# Altium PCB MB V3.PcbDoc (part 2 of 4) (continued)
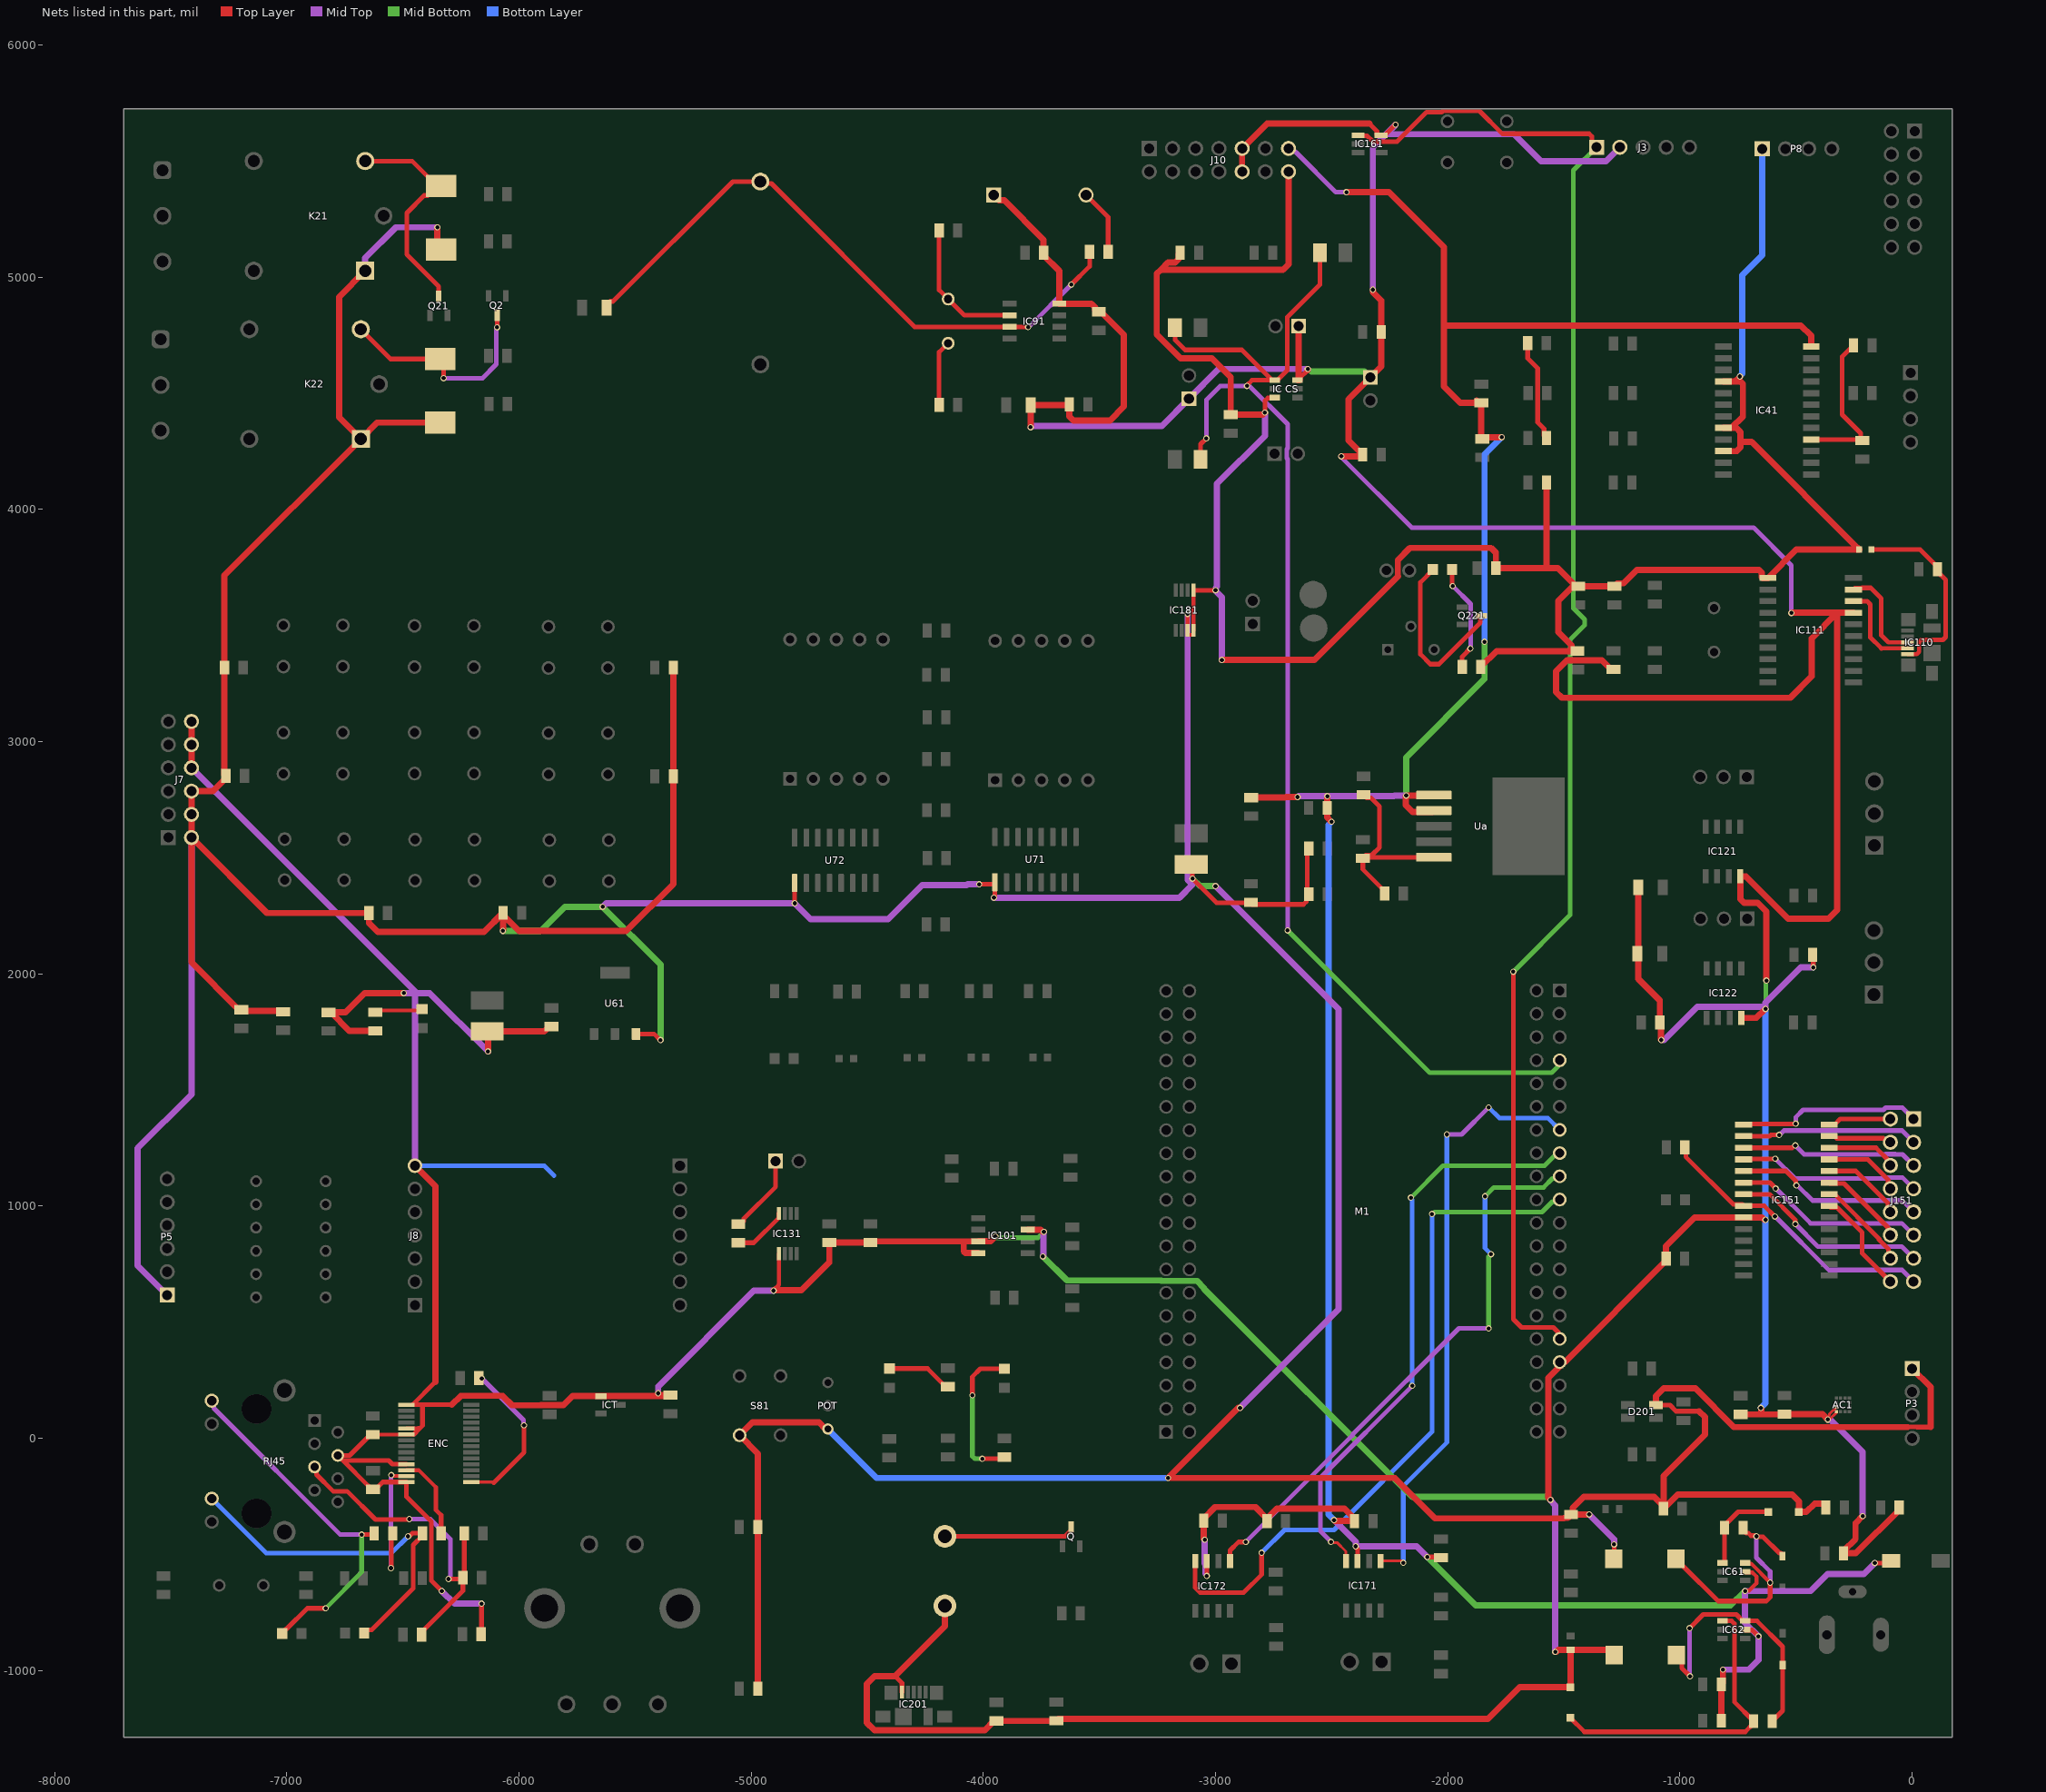
[diagram p4: the nets of this part, all layers, seen from the top]
## Part data (continued)
U61: "LDO Voltage Regulators 800MA LDO LINEAR REG", Package="SOT-223 Seeed Technology", Availability="In Stock", Check_prices=https://www.snapeda.com/parts/AMS1117-3.3/AMS+AG/view-part/?ref=eda, MF="ams AG", MP=AMS1117-3.3, Price=None, Purchase-URL=https://pricing.snapeda.com/search/part/AMS1117-3.3/?ref=eda, SnapEDA_Link=https://www.snapeda.com/parts/AMS1117-3.3/AMS+AG/view-part/?ref=snap
U71 U72: "50-V, 7-ch darlington transistor array, -20C to 70C", Package="SOIC-16 Texas Instruments", Availability="In Stock", Check_prices=https://www.snapeda.com/parts/ULN2003ADR/Texas+Instruments/view-part/?ref=eda, MF="Texas Instruments", MP=ULN2003ADR, Price=None, Purchase-URL=https://pricing.snapeda.com/search/part/ULN2003ADR/?ref=eda, SnapEDA_Link=https://www.snapeda.com/parts/ULN2003ADR/Texas+Instruments/view-part/?ref=snap
U191: "Undefined or Miscellaneous", Manufacturer_Name=Bourns, Mouser Part Number=652-PEC16-4220FS0024, Arrow Part Number=PEC16-4220F-S0024, Arrow Price/Stock=https://www.arrow.com/en/products/pec16-4220f-s0024/bourns, Datasheet Link=https://www.bourns.com/pdfs/PEC16.pdf, Height=28mm, Manufacturer_Part_Number=PEC16-4220F-S0024, Mouser Price/Stock=https://www.mouser.co.uk/ProductDetail/Bourns/PEC16-4220F-S0024?qs=6FD5PBp7ZtQte%252Bg7b%2FiMUw%3D%3D
U210: library part NSL-19M51, "Undefined or Miscellaneous", Manufacturer_Name=Silonex, Datasheet Link=http://uk.rs-online.com/web/p/products/9146710, Manufacturer_Part_Number=NSL-19M51
Ua: "Single Output Any Cap LDO, 1 A, Adjustable 1.2 to 5 V Output, 1.8 to 6 V Input, with Integrated SVS, 5-pin DDPAK (KTT), -40 to 125 degC, Green (RoHS & no Sb/Br)", Manufacturer="Texas Instruments", PartNumber=TPS72501KTTT, Accuracy(%)=2, Code_JEDEC=TO-263, ComponentLink1Description="Manufacturer URL", ComponentLink1URL=http://www.ti.com/, ComponentLink2Description=Datasheet, ComponentLink2URL=http://www.ti.com/general/docs/lit/getliterature.tsp?genericPartNumber=TPS72501&fileType=pdf, ComponentLink3Description="Package Specification", ComponentLink3URL=http://www.ti.com/litv/pdf/mpsf007e, DatasheetVersion=SLVS341E, Eco-Plan="Green (RoHS & no Sb/Br)", Iout(Max)(A)=1, Iq(Typ)(mA)=0.07, Mounting Technology="Surface Mount", PackageDescription="3-Pin Plastic Flange Mount, Body 10.16 x 10.34 mm, Pitch 1.7 mm", PackageReference=KTT0005A, PackageVersion=4200577-3/F, SubFamily="Single Channel LDO", Vdo(Typ)(mV)=170, Vin(Max)(V)=6, Vin(Min)(V)=1.8, Vout Adj(Max)(V)=5.5, Vout Adj(Min)(V)=1.22
VR1: library part Trimmer, "Variable Trimmer Resisitor", Case Code (Imperial)=0612, Case Code (Metric)=1632, Case/Package=1206, Max Operating Temperature=125degC, Min Operating Temperature=-25degC, Package Quantity=5000, PartNumber=3362P-1-103LF, Power Rating="1 W", Resistance="50 mohm", Tolerance=1%, Voltage Rating="220 mV", ComponentLink1Description="Manufacturer URL", ComponentLink1URL=http://www.bourns.com/, ComponentLink2Description=Datasheet, ComponentLink2URL=http://www.bourns.com/docs/Product-Datasheets/3362.pdf, DatasheetVersion=May-16, Height="0.6 mm", Length="3.2 mm", Mount="Surface Mount", PackageDescription="3-Pin Through Hole Device, Body 6.6 x 6.99 mm, Pitch 2.54 mm", PackageReference=3326P, Packaging="Tape and Reel", Pins=2, REACH SVHC="No SVHC", RoHSCompliant=True, Width="1.6 mm"
Z61 Z62: "Zener Diode", Manufacturer_Name=STMicroelectronics, Mouser Part Number=511-BAT46ZFILM, Arrow Part Number=BAT46ZFILM, Arrow Price/Stock=https://www.arrow.com/en/products/bat46zfilm/stmicroelectronics?region=nac, Datasheet Link=https://datasheet.datasheetarchive.com/originals/distributors/SFDatasheet-5/sf-000113323.pdf, Manufacturer_Part_Number=BAT46ZFILM, Mouser Price/Stock=https://www.mouser.co.uk/ProductDetail/STMicroelectronics/BAT46ZFILM?qs=jZi1jxfVU96IWb4%2FLHMEiw%3D%3D

## Via types
v1: diameter 27, hole 18, Top Layer to Bottom Layer, tented both sides, 290 vias
v2: diameter 27, hole 18, Top Layer to Bottom Layer, 12 vias

## Nets (pads, with @x,y where several pads share a name; then routed paths per layer and width w, separated by ;. In a path a pad name is that pad's centre, name@x,y a point inside that pad or via, vN(x,y) a via of type N, cw(c..) or ccw(c..) an arc to the next point about the centre after c; other vN are vias at no path point)
3.3V: "IC CS.3" AC1.9 AC1.10 B.1 C67.2 C68.2 C94.1 C115.1 C121.2 C122.2 C131.2 C132.1 C145.1 C211.1 C212.1 C223.2 CB3.1 CB4.1 Ct.1 D62.2 D91.1 ENC.15 ENC.19 ENC.20 ENC.25 ENC.28 IC91.8 IC101.3 IC101.7 IC101.8 IC111.17 IC121.8 IC122.8 IC131.1 IC151.9 IC161.5 IC201.1 ICT.1 J1.1 J2.1 J3.2 J7.8 J7.10 J7.12 J8.7 J10.9 J10.10 J23.1 L62.1 LB.2 M1.77 R63.1 R93.1 R94.1 R95.2 R122.1 R124.1 R147.1 R148.2 R151.2 R201.1 R202.2 R221.2 RB1.2 RJ45.4 | length 39745.7
  Top Layer w12: v1(-363.44,81) -360.57,83.87 -360.57,97 -357.07,100.5 -357.07,103.55 -326.47,134.16 AC1.9@-325.98,134.16 ; v1@-357.07,80.37 AC1.10@-326.69,110.75
  Top Layer w15: R148.2@-6639.94,16 R148.2@-6639.75,16.19 ; ENC.20@-6485.9,16.19 ENC.20@-6485.71,16.39
  Top Layer w17: R148.2@-6639.75,16.19 ENC.20@-6485.9,16.19 ; ENC.20@-6485.71,16.39 ENC.20@-6453.98,16.39 ; ENC.19@-6484.98,42.71 -6435.09,42.71 ; -4881.33,660.51 IC131.1@-4881.33,795.39
  Top Layer w20: R148.2@-6639.94,16 -6729.57,-73.63 RJ45.4@-6781.03,-73.63 -6758.66,-96 ; ENC.25@-6485.71,-111.57 -6546.51,-111.57 -6562.08,-96 -6758.66,-96 ; ENC.20@-6453.98,16.39 -6427.66,42.71 ; -6435.09,42.71 -6427.66,42.71 ; -6415.94,134.62 -6415.94,54.42 -6427.66,42.71 ; -6415.94,144.34 -6459.13,144.34 -6359.94,243.53 ; -6415.53,144.75 -6289.5,144.75 ; v1(-6332.94,-658) -6377.94,-613 -6377.94,-359 -6485.71,-251.24 ENC.28@-6485.71,-188.34 -6587.28,-188.34 -6618.94,-220 R147.1@-6628.94,-220 -6638.94,-220 -6648.94,-210 -6648.94,-205.72 -6758.66,-96 ; C145.1@-6163.94,-844 -6161.94,-842 v1(-6161.94,-712) ; v1@-4902.6,637.34 v1(-4903.94,636) -4903.94,637.89 -4881.33,660.51 ; -4381.01,-1024 -4350.85,-1054.16 IC201.1@-4350.85,-1093.28 ; -2637.59,4565.54 v1@-2602.94,4600.19 ; -2338.33,5662 -2305.29,5628.96 -2305.29,5613.21 -2303.48,5611.4 IC161.5@-2287.73,5611.4 ; IC161.5@-2271.98,5611.4 v1@-2226.38,5657 ; v1(-651.94,131) v1@-649.07,128.13 ; C211.1@-550.94,103 C211.1@-549.94,104 ; R124.1@-428.94,2082 -425.94,2079 v1(-425.94,2028)
  Top Layer w27: J7.8@-7410.94,2887 J7.10@-7410.94,2987 J7.12@-7410.94,3087 ; CB3.1@-6820.94,1834 CB3.1@-6810.94,1834 ; RB1.2@-6618.94,1755 -6731.94,1755 CB3.1@-6810.94,1834 ; v1(-6496.94,1917) -6664.94,1917 -6747.94,1834 CB3.1@-6810.94,1834 ; J8.7@-6448.94,1174 -6359.94,1085 -6359.94,243.53 ; -6289.5,144.75 -6251.25,183 -6071.61,183 -6030.61,142 -5906.52,142 -5906.02,142.5 -5808.44,142.5 -5769.54,181.4 ICT.1@-5647.28,181.4 -5353.54,181.4 Ct.1@-5348.94,186 -5392.94,186 v1(-5400.94,194) ; v1(-6133.94,1666) -6133.94,1749.14 LB.2@-6136.94,1752.14 -5891.8,1752.14 -5870.94,1773 CB4.1@-5860.94,1773 ; v1@-4902.6,637.34 -4783.6,637.34 -4663.94,757 C131.2@-4663.94,843 C132.1@-4486.94,843 -4481.94,848 -4077.91,848 ; B.1@-4165.94,-721.61 -4165.94,-808.94 -4381.01,-1024 -4468.94,-1024 -4501.94,-1057 -4501.94,-1225 -4469.94,-1257 -3993.94,-1257 -3953.94,-1217 R202.2@-3943.94,-1217 -3686.94,-1217 R201.1@-3685.94,-1216 -3677.94,-1208 -1826.94,-1208 -1691,-1072.06 D62.2@-1471.94,-1072.06 R63.1@-1471.94,-910.53 ; IC101.8@-4022.68,798 -4077.91,798 -4084.94,805.03 -4084.94,840.97 -4077.91,848 ; D91.1@-3955.11,5354 -3932.63,5331.52 -3910.46,5331.52 -3740.94,5162 R94.1@-3740.94,5105 -3740.94,5095 -3673.21,5027.27 IC91.8@-3673.21,4886 -3535.26,4886 -3519.44,4870.18 -3519.44,4857.5 -3512.94,4851 R95.2@-3502.94,4851 -3492.94,4851 -3394.94,4753 -3394.94,4443 -3455.11,4382.84 -3612.78,4382.84 -3629.94,4400 R93.1@-3629.94,4452 -3631.94,4450 C94.1@-3795.79,4450 -3796.94,4448.85 v1(-3796.94,4354) ; v1(-3948.94,869) -3969.24,848.7 -4021.97,848.7 IC101.7@-4022.68,848 -4077.91,848 ; IC101.3@-3809.21,898 -3753,898 -3744,889 v1(-3739.94,889) ; J10.10@-2885.94,5454.52 J10.9@-2885.94,5554.52 -2778.46,5662 -2338.33,5662 ; J23.1@-2641.94,4789 -2641.94,4561.19 -2646.73,4556.4 -2639.28,4556.4 -2637.59,4558.09 -2637.59,4565.54 ; v1@-2602.94,4600.19 v1(-2602.94,4605) ; v1(-2458.94,4229) -2373.94,4229 R221.2@-2366.94,4236 -2427.94,4297 -2427.94,4474 J1.1@-2332.94,4569 -2286.94,4615 C223.2@-2286.94,4764 -2286.94,4900 -2321.6,4934.66 -2321.6,4944.66 v1(-2322.94,4946) ; v1@-2226.38,5657 v1(-2224.94,5657) ; v1(-1557.94,-265) -1566.97,-255.97 -1566.97,259.97 -1497.94,329 -1494.94,329 -1059.94,764 R151.2@-1059.94,774 -1060.31,774.36 -1060.31,827.64 -936.94,951 IC151.9@-726,951 -646,951 -636,941 v1(-631.94,941) ; v1(-1536.94,-920) -1532.88,-920 -1523.41,-910.53 R63.1@-1471.94,-910.53 ; C115.1@-1286.94,3311 -1293.44,3317.5 -1303.44,3317.5 -1336.44,3350.5 -1487.44,3350.5 -1533.94,3304 -1533.94,3214 -1508.94,3189 -524.94,3189 -432.94,3281 -432.94,3445 -322.94,3555 ; L62.1@-1283.8,-934 -1307.27,-910.53 R63.1@-1471.94,-910.53 ; C122.2@-1180.09,2373 -1180.09,1978.38 -1086.94,1885.23 R122.1@-1086.94,1791 -1081.78,1785.84 -1081.78,1716.51 v1(-1080.44,1715.17) ; C212.1@-738.94,103 -644.94,103 ; IC122.8@-735.94,1810.27 -670.68,1810.27 v1(-631.94,1849) ; v1@-649.07,128.13 -649.07,107.13 -644.94,103 ; v1(-627.94,1971) -627.94,2269 -664.94,2306 -724.13,2306 -739.94,2321.82 IC121.8@-739.94,2420.27 -739.24,2419.56 -715.51,2419.56 -533.74,2237.79 -360.15,2237.79 -322.94,2275 -322.94,3555 ; C211.1@-550.94,103 -644.94,103 ; C211.1@-549.94,104 -386.44,104 v1(-363.44,81) ; v1(-520.44,3554) -519.44,3555 -322.94,3555 ; IC111.17@-252.89,3555 -322.94,3555 ; v1(-212.94,-335) -243.94,-366 -243.94,-433 -295.94,-485 C68.2@-295.94,-495 -242.94,-495 -55.94,-308 C67.2@-55.94,-298
  Mid Top w20: v1(-2458.94,4229) -2458.94,4227.11 -2455.44,4223.61 -2455.44,4221.5 -2155.94,3922 -682.94,3922 -520.44,3759.5 v1(-520.44,3554)
  Mid Top w27: J7.8@-7410.94,2887 -6448.94,1925 -6448.94,1917 ; v1(-6496.94,1917) -6448.94,1917 ; J8.7@-6448.94,1174 -6448.94,1917 ; v1(-6332.94,-658) -6278.94,-712 v1(-6161.94,-712) ; v1(-6133.94,1666) -6384.94,1917 -6448.94,1917 ; v1(-5400.94,194) -5400.94,224 -4988.94,636 v1(-4903.94,636) ; v1(-3796.94,4354) -3790.94,4360 -3231.94,4360 J2.1@-3114.94,4477 -2986.94,4605 v1(-2602.94,4605) ; v1(-3743.94,783) -3741.94,785 -3741.94,887 v1(-3739.94,889) ; v1(-2322.94,4946) -2322.94,5559 -2263.44,5618.5 ; v1(-2224.94,5657) -2260.94,5621 -2255.94,5616 -1714.94,5616 -1598.94,5500 -1318.89,5500 J3.2@-1258.94,5559.94 ; v1(-1557.94,-265) -1557.94,-267.55 -1536.94,-288.55 v1(-1536.94,-920) ; v1(-1080.44,1715.17) -1067.77,1715.17 -924.94,1858 -642.84,1858 -633.84,1849 v1(-631.94,1849) -631.94,1876 -479.94,2028 v1(-425.94,2028) ; v1(-363.44,81) -351.94,81 -212.94,-58 v1(-212.94,-335)
  Mid Bottom w20: v1(-3948.94,869) -3947.05,869 -3941.55,863.5 -3765.44,863.5 v1(-3739.94,889) ; v1(-2602.94,4605) -2598.88,4605 -2588.38,4594.5 ; J1.1@-2358.44,4594.5 J1.1@-2332.94,4569 ; v1(-631.94,1849) -629.94,1851 -629.94,1969 v1(-627.94,1971)
  Mid Bottom w27: v1(-3743.94,783) -3640.94,680 -3235.28,680 -3233.25,677.97 -3080.94,677.97 -3048.85,645.88 -3048.85,642.64 -2154.22,-252 -1572.84,-252 -1559.84,-265 v1(-1557.94,-265) ; -2588.38,4594.5 J1.1@-2358.44,4594.5
  Bottom Layer w20: J8.7@-6448.94,1174 -5892.16,1174 -5849.66,1131.5
  Bottom Layer w27: v1(-651.94,131) -631.94,151 v1(-631.94,941) v1(-631.94,1849)
3V3_MCU: "IC CS.4" M1.64 R222.2 R223.2 R224.2 | length 5673
  Top Layer w20: R224.2@-3174.94,4782 -3174.94,4730 -3131.94,4687 -2886.58,4687 -2755.98,4556.4 ; R223.2@-3064.94,4215 -3064.94,4281 v1(-3039.94,4306) ; v1(-2864.94,4532) -2864.94,4535 -2843.54,4556.4 -2755.98,4556.4 ; R222.2@-2550.94,5106 -2550.94,4968.45 -2691.44,4827.95 -2691.44,4599.29 -2734.33,4556.4 -2745.16,4556.4 -2755.98,4556.4
  Mid Top w20: v1(-3039.94,4306) -3039.94,4472 -2979.94,4532 v1(-2864.94,4532) -2863.6,4530.66 -2853.6,4530.66 -2689.94,4367 -2689.94,4263.17 -2693.44,4259.67 -2693.44,4220.33 -2689.94,4216.83 v1(-2689.94,2187)
  Mid Bottom w20: v1(-2689.94,2187) -2076.94,1574 -1552.94,1574 M1.64@-1497.94,1629
5V: "IC CS.6" C41.1 C63.2 C64.2 C113.1 C114.1 C221.1 C222.1 CA3.1 CA4.1 CA5.1 CB1.1 CB2.1 D21.2 D22.2 D61.2 D201.1 FB111.1 IC41.4 IC41.8 IC41.10 IC111.1 IC181.1 IC181.7 IC181.8 J7.2 J7.4 J7.6 J10.14 K21.A1 K22.A1 L61.1 LA.2 P3.1 P5.1 P8.1 POT.3 R51.2 R52.2 R53.2 R54.1 R55.1 R56.1 R61.2 R111.1 R191.2 R192.2 RD.1 RL.1 S81.4 U61.3 U71.9 U72.9 | length 38814.1
  Top Layer w15: IC181.7@-3121.15,3479.39 -3121.15,3460.69 -3119.79,3459.33 -3096.92,3459.33 -3095.56,3460.69 IC181.8@-3095.56,3479.39
  Top Layer w17: IC181.7@-3121.15,3479.39 v1@-3121.15,3549.8 ; IC181.8@-3095.56,3479.39 IC181.1@-3095.56,3652.61
  Top Layer w20: D22.2@-6351.94,5135.19 D22.2@-6335.94,5119.19 ; U61.3@-5496.79,1741.31 -5419.15,1741.31 -5392.84,1715 v1(-5390.94,1715) ; v1(-4812.94,2304) U72.9@-4812.94,2391.56 ; v1(-4018.41,2385.54) U71.9@-3952.75,2385.54 ; v1(-3954.94,2328) -3950.94,2332 U71.9@-3950.94,2394.56 ; LA.2@-3104.94,2471.07 -3099.94,2466.07 v1(-3099.94,2410.4) v1@-3099.94,2407.16 ; v1@-3097.66,2408.11 -2995.55,2306 -2849.94,2306 -2842.94,2299 -2621.66,2299 -2609.94,2310.72 -2609.94,2334 CA3.1@-2599.94,2344 ; IC181.1@-3093.83,3651.57 -3000.87,3651.57 v1(-3000.44,3652) v1@-2999.1,3650.66 ; v1(-2787.94,4417) -2786.6,4418.34 -2786.6,4468.07 -2774.89,4479.79 -2746.97,4479.79 -2745.16,4481.6 ; CA3.1@-2598.94,2343 CA3.1@-2599.94,2344 ; CA3.1@-2598.94,2345 CA3.1@-2599.94,2344 ; CA5.1@-2598.94,2540 -2605.94,2533 -2605.94,2350 CA3.1@-2599.94,2344 ; L61.1@-1285.8,-519 -1283.94,-517.14 v1(-1283.94,-457) ; D201.1@-1102.92,142.56 -1043.13,142.56 -1017.07,116.5 -917.26,116.5 ; -20.56,48 -20.08,48.48 20.08,48.48 20.56,48 79.06,48
  Top Layer w25: -2214.94,3712 -2214.94,3782
  Top Layer w27: CB2.1@-7015.94,1837 -7019.94,1841 -7192.94,1841 CB1.1@-7196.94,1845 -7206.94,1845 -7410.94,2049 J7.2@-7410.94,2587 ; K21.A1@-6662.68,5027.78 -6774.94,4915.52 -6774.94,4396.87 K22.A1@-6681.63,4303.56 ; D22.2@-6351.94,5135.19 v1(-6351.94,5215) ; D21.2@-6339.94,4374.19 -6611,4374.19 K22.A1@-6681.63,4303.56 ; v1(-6069.94,2185.5) -6069.44,2186 -6069.44,2261.5 -6069.94,2262 -6150.94,2181 -6607.94,2181 -6646.94,2220 R56.1@-6646.94,2262 -7085.94,2262 J7.2@-7410.94,2587 ; R53.2@-6068.94,2263 -6068.94,2253 -5999.94,2184 -5538.94,2184 -5335.94,2387 R55.1@-5335.94,2850 R54.1@-5335.94,3319 ; R192.2@-4971.94,-1078 R191.2@-4971.94,-382 -4971.94,-65.54 S81.4@-5050.53,13.05 -4995.57,68 -4708.45,68 -4680.45,40 POT.3@-4669.94,40 ; C222.1@-3152.94,5106 -3159.44,5099.5 -3159.44,5079.82 -3175.26,5064 -3204.94,5064 -3233.94,5035 ; v1(-2972.94,3352) -2574.94,3352 -2214.94,3712 ; v1(-2894.94,131) -2902.94,131 v1(-3204.94,-171) -2227.39,-171 -2053.39,-345 -1499.8,-345 -1497.8,-343 -1483.94,-343 R61.2@-1468.94,-328 ; v1(-2787.94,4417) -2796.94,4408 C221.1@-2934.94,4408 -2934.94,4569 -3016.94,4651 -3150.94,4651 -3253.94,4754 -3253.94,5015 -3233.94,5035 ; J10.14@-2685.94,5454.52 -2685.94,5056 -2709.94,5032 -3230.94,5032 -3233.94,5035 ; -2214.94,3782 -2162.53,3834.42 -1814.36,3834.42 -1792.94,3813 RL.1@-1792.94,3747 -1571.94,3747 ; RD.1@-1857.94,3322 -1789.94,3390 R111.1@-1451.94,3390 ; C41.1@-1574.94,4116 -1574.94,3750 -1571.94,3747 ; C114.1@-1454.94,3676 -1525.94,3747 -1571.94,3747 ; R111.1@-1441.94,3390 R111.1@-1451.94,3390 ; v1(-1390.94,-328) R61.2@-1468.94,-328 ; D201.1@-1102.92,142.56 -1102.92,182.02 -1069.94,215 -933.94,215 -766.94,48 -20.56,48 ; -917.26,116.5 -892.94,92.18 -892.94,16 -1070.94,-162 C63.2@-1070.94,-293 ; IC41.10@-812.92,4251 -755.76,4251 -739.94,4266.82 -739.94,4290.84 ; IC41.8@-812.92,4351 IC41.8@-778.94,4351 ; IC41.4@-812.92,4551 -762.49,4551 ; v1(-741.94,4572.5) -741.94,4571.54 -762.49,4551 ; C64.2@-371.94,-298 -371.94,-296 -386.94,-281 -419.94,-281 -455.94,-317 D61.2@-488,-317 -488,-270.94 -516.94,-242 -1009.94,-242 C63.2@-1070.94,-303 C63.2@-1070.94,-293 ; P3.1@0,300 79.06,220.94 79.06,48 ; J7.2@-7410.94,2587 J7.4@-7410.94,2687 J7.6@-7410.94,2787 -7317.94,2787 -7262.94,2842 R52.2@-7262.94,2852 -7268.94,2858 R51.2@-7268.94,3319 -7268.94,3716.24 K22.A1@-6681.63,4303.56 ; R61.2@-1468.94,-328 -1461.8,-320.86 -1461.8,-298.86 -1414.94,-252 -1111.94,-252 C63.2@-1070.94,-293 ; R111.1@-1451.94,3390 -1466.94,3405 -1466.94,3415 -1523.94,3472 -1523.94,3607 -1461.94,3669 C114.1@-1437.94,3669 C113.1@-1282.94,3669 -1270.34,3681.61 -1244.34,3681.61 -1185.94,3740 -659.13,3740 -647.42,3728.28 -647.42,3707.8 -644.62,3705 IC111.1@-621,3705 -499,3827 FB111.1@-227.94,3827 -227.94,3827.98 -235.74,3835.78 -236.72,3835.78 -691.78,4290.84 -739.94,4290.84 ; IC41.8@-778.94,4351 -757.94,4351 -739.94,4333 -739.94,4290.84 ; IC41.8@-778.94,4351 -728.94,4401 -728.94,4539.28 -740.66,4551 -762.49,4551
  Mid Top w27: P5.1@-7515.89,617 -7642.94,744.06 -7642.94,1249 -7410.94,1481 J7.2@-7410.94,2587 ; K21.A1@-6662.68,5027.78 -6662.68,5083.26 -6530.94,5215 v1(-6351.94,5215) ; v1(-5639.94,2289) -5624.94,2304 v1(-4812.94,2304) -4744.94,2236 -4410.24,2236 -4264.24,2382 -4071.91,2382 -4068.37,2385.54 v1(-4018.41,2385.54) ; v1(-3954.94,2328) -3155.94,2328 -3099.94,2384 -3113.14,2397.2 ; v1(-3120.94,3550) -3120.94,2405 -3113.14,2397.2 ; v1(-3099.94,2410.4) -3113.14,2397.2 ; v1(-3000.44,2378) -2470.94,1848.5 -2470.94,555 v1(-2894.94,131) ; v1(-2972.94,3352) -2972.94,3622.61 -3000.44,3650.11 v1(-3000.44,3652) -2999.1,3653.34 -2999.1,3662.84 -2993.94,3668 -2993.94,4111 -2787.94,4317 v1(-2787.94,4417) ; v1(-1390.94,-328) -1283.94,-435 v1(-1283.94,-457)
  Mid Bottom w27: v1(-6069.94,2185.5) -5907.24,2185.5 -5803.74,2289 v1(-5639.94,2289) -5390.94,2040 v1(-5390.94,1715) ; v1(-3099.94,2410.4) -3067.55,2378 v1(-3000.44,2378)
  Bottom Layer w27: POT.3@-4669.94,40 -4458.94,-171 v1(-3204.94,-171) ; v1(-741.94,4572.5) -741.94,4574.39 -731.94,4584.39 -731.94,5008.73 -645.94,5094.73 P8.1@-645.94,5552.94
12V: C46.1 C47.1 C62.1 C65.1 C171.1 C172.1 C173.1 C174.1 CA1.1 CA.1 IC41.24 IC61.5 IC62.5 IC171.3 IC172.3 J10.13 S51.2 Ua.1 Ua.2 | length 14214.8
  Top Layer w17: v1(-719.94,-658) -718.03,-656.09 -702.48,-656.09 -670.94,-624.55 -670.94,-594.79 -688.43,-577.31 -715.42,-577.31 IC61.5@-718.73,-574
  Top Layer w20: v1@-3050.94,-433 v1(-3046.94,-437) ; C174.1@-3050.94,-355 C174.1@-3050.94,-345 ; v1(-3038.44,-592.84) -3038.19,-592.59 -3038.19,-529.52 IC172.3@-3037.94,-529.27 ; C173.1@-2778.94,-356 C173.1@-2778.94,-346 ; -2700.62,2759 -2697.79,2761.83 ; v1(-2489.94,-352) v1@-2485.94,-356 ; C172.1@-2401.94,-356 C172.1@-2401.94,-346 ; v1(-2396.94,-465) -2396.94,-469.06 -2388.94,-477.06 IC171.3@-2388.94,-528.27 ; v1@-2180.94,2766 v1(-2179.08,2767.86) v1(-2179.08,2767.86) ; v1(-2088.94,-511) -2032.94,-511 C171.1@-2029.94,-514 ; Ua.1@-2061.97,2767.93 Ua.1@-2060.04,2769.86 ; C62.1@-821.94,-1060 C62.1@-814.94,-1053 ; IC62.5@-718.94,-824 -717.13,-825.81 -689.13,-825.81 v1(-661.94,-853) ; v1(-160.94,-537) -100.24,-537 S51.2@-90.24,-527
  Top Layer w27: v1@-3050.94,-433 C174.1@-3050.94,-355 ; C174.1@-3050.94,-345 -3001.94,-296 -2828.94,-296 -2778.94,-346 -2735.94,-303 -2444.94,-303 C172.1@-2401.94,-346 ; CA1.1@-2846.94,2759 -2700.62,2759 ; -2697.79,2761.83 v1(-2647.12,2761.83) ; v1(-2518.94,2765) -2518.94,2673 v1(-2500.94,2655) ; v1@-2485.94,-356 C172.1@-2401.94,-356 ; v1(-2436.94,5366) -2252.94,5366 -2016.94,5130 -2016.94,4792 ; v1@-2180.94,2766 -2180.94,2726 -2151.94,2697 -2138.14,2697 -2137.41,2697.73 -2065.24,2697.73 Ua.2@-2060.04,2702.93 ; v1(-2179.08,2767.86) Ua.1@-2061.97,2767.93 ; C46.1@-1875.94,4469 C46.1@-1865.94,4459 ; v1(-1767.94,4311) -1852.94,4311 -1855.94,4308 C46.1@-1855.94,4459 C46.1@-1865.94,4459 ; C65.1@-821.94,-1216 C62.1@-821.94,-1060 ; C62.1@-814.94,-1053 v1(-814.94,-996) ; IC41.24@-434.97,4701 -434.97,4748.02 -478.94,4792 -2016.94,4792 ; -2016.94,4792 -2016.94,4529 -1946.94,4459 C46.1@-1865.94,4459
  Mid Top w20: -3046.94,-539.34 -3046.94,-582.45 -3038.44,-590.95 v1(-3038.44,-592.84) ; J10.13@-2685.94,5554.52 -2671.61,5554.52 -2655.66,5538.57 -2654.51,5538.57 -2481.94,5366 v1(-2436.94,5366) ; v1(-2647.12,2761.83) -2645.22,2761.83 v1@-2642.05,2765 ; -2232.58,2765 -2229.72,2767.86
  Mid Top w27: -3046.94,-539.34 v1(-3046.94,-437) ; v1@-2642.05,2765 v1(-2518.94,2765) -2232.58,2765 ; v1(-2489.94,-352) -2396.94,-445 v1(-2396.94,-465) -2134.94,-465 v1(-2088.94,-511) ; -2229.72,2767.86 v1(-2179.08,2767.86) ; v1(-814.94,-996) -702.94,-996 -661.94,-955 v1(-661.94,-853) -719.94,-795 v1(-719.94,-658) -438.65,-658 -364.65,-584 -207.94,-584 v1(-160.94,-537)
  Mid Bottom w27: v1(-2179.08,2767.86) -2179.08,2932.39 -1841.94,3269.53 v1(-1841.94,3430) ; v1(-2088.94,-511) -1879.94,-720 -781.94,-720 v1(-719.94,-658)
  Bottom Layer w27: v1(-2500.94,2655) -2514,2641.94 -2514,-327.94 v1(-2489.94,-352) ; v1(-1841.94,3430) -1841.94,4237 v1(-1767.94,4311)
CAN_Rx1: IC171.4 M1.68 | length 2510.4
  Top Layer w12: v2(-2503,-446) -2500.13,-448.87 -2477.1,-448.87 -2438.94,-487.03 IC171.4@-2438.94,-528.27
  Mid Top w20: v2(-2503,-446) -2549,-400 -2549,-170 v2(-2153,226)
  Mid Bottom w20: v2(-2159,1036) -2021.47,1173.53 -1583.47,1173.53 -1545.56,1211.44 -1545.08,1211.44 -1528.51,1228 M1.68@-1517.94,1228
  Bottom Layer w20: v2(-2159,1036) -2159,1031.94 -2153,1025.94 v2(-2153,226)
CAN_Rx2: IC172.4 M1.70 | length 2998.5
  Top Layer w20: IC172.4@-3087.94,-529.27 -3087.94,-643.06 -3066,-665 -2880,-665 -2802,-587 v2(-2802,-493)
  Mid Bottom w20: v2(-2068,966) -2063.94,966 -2055.94,974 -1594,974 -1549,1019 -1526.95,1019 M1.70@-1517.94,1028
  Bottom Layer w20: v2(-2802,-493) -2703.35,-394.35 -2490.57,-394.35 -2068,28.23 v2(-2068,966)
CAN_Tx1: IC171.1 M1.67 | length 2597
  Top Layer w12: IC171.1@-2288.94,-528.27 -2199.73,-528.27 v2(-2192,-536)
  Mid Top w20: v2(-2004,1308.5) -1940.5,1308.5 v2(-1824,1425)
  Bottom Layer w20: v2(-2192,-536) -2192,-206 -2004,-18 v2(-2004,1308.5) ; v2(-1824,1425) -1778.57,1379.57 -1569.51,1379.57 M1.67@-1517.94,1328
CAN_Tx2: IC172.1 M1.69 | length 2499.7
  Top Layer w20: IC172.1@-2937.94,-529.27 -2937.94,-482.94 -2901.5,-446.5 v2(-2870,-446.5)
  Mid Top w20: v2(-2870,-446.5) -2410.59,12.91 -2410.59,15.41 -1952.53,473.47 -1824.47,473.47 v2(-1824,473)
  Mid Bottom w12: -1824,783 v2(-1814,793)
  Mid Bottom w20: v2(-1840,1042) -1801.5,1080.5 -1587.5,1080.5 -1549,1119 -1526.95,1119 M1.69@-1517.94,1128 ; v2(-1824,473) -1824,783
  Bottom Layer w20: v2(-1840,1042) -1840,819 v2(-1814,793)
D+: IC110.3 IC111.19 | length 425.9
  Top Layer w17: -105.08,3430.13 -102.22,3427.28 IC110.3@-19.67,3427.28
  Top Layer w20: IC111.19@-252.89,3655 -246.09,3661.8 -215.65,3661.8 -215.44,3662 -178.94,3662 -132.94,3616 -132.94,3458 -105.08,3430.13
D-: IC110.2 IC111.18 | length 400.6
  Top Layer w17: -132.63,3401.69 IC110.2@-19.67,3401.69
  Top Layer w20: IC111.18@-252.89,3605 -252.45,3604.56 -193.5,3604.56 -179.94,3591 -179.94,3449 -132.63,3401.69
GPA0: IC151.21 J151.16 | length 451.7
  Top Layer w20: IC151.21@-357.89,1001 -351.09,994.2 -323.15,994.2 -215.77,886.83 -215.77,796.83 J151.16@-93.94,675
GPA1: IC151.22 J151.14 | length 399.2
  Top Layer w20: IC151.22@-357.89,1051 -334.27,1051 -142.42,859.16 -142.42,854.92 -102.4,814.9 -102.4,783.46 J151.14@-93.94,775
GPA2: IC151.23 J151.12 | length 370.4
  Top Layer w20: IC151.23@-357.89,1101 -355.09,1098.2 -320.96,1098.2 -319.76,1097 -293.94,1097 -102.55,905.6 -102.55,883.6 J151.12@-93.94,875
GPA3: IC151.24 J151.10 | length 352.7
  Top Layer w20: IC151.24@-357.89,1151 -242.94,1151 -104.08,1012.13 -104.08,985.13 J151.10@-93.94,975
GPA4: IC151.25 J151.8 | length 333.1
  Top Layer w20: IC151.25@-357.89,1201 -190.94,1201 -103.14,1113.19 -103.14,1084.19 J151.8@-93.94,1075
GPA5: IC151.26 J151.6 | length 303.6
  Top Layer w20: IC151.26@-357.89,1251 -155.94,1251 -93.94,1189 J151.6@-93.94,1175
GPA6: IC151.27 J151.4 | length 274.7
  Top Layer w20: IC151.27@-357.89,1301 -334.27,1301 -325.27,1292 -123.11,1292 -106.11,1275 J151.4@-93.94,1275
GPA7: IC151.28 J151.2 | length 273.9
  Top Layer w20: IC151.28@-357.89,1351 -334.27,1351 -310.27,1375 J151.2@-93.94,1375
GPB0: IC151.1 J151.1 | length 798.1
  Top Layer w20: IC151.1@-726,1351 -724,1353 -503.94,1353 v1(-501.94,1355)
  Mid Top w20: v1(-501.94,1355) -500.6,1356.34 -500.6,1383.57 -470.17,1414 -123.51,1414 -114.03,1423.48 -42.42,1423.48 J151.1@6.06,1375
GPB1: IC151.2 J151.3 | length 763.4
  Top Layer w20: IC151.2@-726,1301 -613.91,1301 -607.91,1307 -573.94,1307 v1(-573.08,1306.14)
  Mid Top w20: v1(-573.08,1306.14) -571.19,1306.14 -552.33,1325 -43.94,1325 J151.3@6.06,1275
GPB2: IC151.3 J151.5 | length 772.2
  Top Layer w20: IC151.3@-726,1251 -517,1251 -507,1261 v1(-502.94,1261)
  Mid Top w20: v1(-502.94,1261) -464.94,1223 -114.51,1223 -114.03,1223.48 -73.86,1223.48 -73.38,1223 -41.94,1223 J151.5@6.06,1175
GPB3: IC151.4 J151.7 | length 790.4
  Top Layer w20: IC151.4@-726,1201 -724.5,1202.5 -591.44,1202.5 v1(-589.94,1204)
  Mid Top w20: v1(-589.94,1204) -504.94,1119 -118.51,1119 -114.03,1123.48 -42.42,1123.48 J151.7@6.06,1075
GPB4: IC151.5 J151.9 | length 814.9
  Top Layer w20: IC151.5@-726,1151 -543.94,1151 -500.72,1107.77 -500.72,1090.77 v1(-498.94,1089)
  Mid Top w20: v1(-498.94,1089) -493.94,1089 -428.94,1024 -42.94,1024 J151.9@6.06,975
GPB5: IC151.6 J151.11 | length 825.7
  Top Layer w20: IC151.6@-726,1101 -612.94,1101 v1(-587.48,1075.53)
  Mid Top w20: v1(-587.48,1075.53) -437.94,926 -44.94,926 J151.11@6.06,875
GPB6: IC151.7 J151.13 | length 856.3
  Top Layer w20: IC151.7@-726,1051 -613.94,1051 -504.28,941.34 -504.28,924.34 v1(-502.94,923)
  Mid Top w20: v1(-502.94,923) -405.94,826 -44.94,826 J151.13@6.06,775
GPB7: IC151.8 J151.15 R152.2 | length 1246.1
  Top Layer w20: R152.2@-978.94,1253 -974.97,1249.03 -974.97,1212.03 -770.31,1007.36 -732.36,1007.36 IC151.8@-726,1001 -636.94,1001 v1(-590.94,955)
  Mid Top w20: v1(-590.94,955) -588.94,955 -358.94,725 -43.94,725 J151.15@6.06,675
LEDA: ENC.27 R143.2 | length 621.3
  Top Layer w15: v1(-6550.44,-158.84) -6547.2,-158.84 -6543.64,-162.39 -6486.06,-162.39 ENC.27@-6485.71,-162.75
  Top Layer w20: v1(-6551.94,-559) -6550.6,-557.66 -6550.6,-416.66 R143.2@-6543.94,-410 ; v1(-6550.44,-158.84) v1@-6549.1,-160.18
  Mid Top w20: v1(-6551.94,-559) -6551.44,-558.5 -6551.44,-159.84 v1(-6550.44,-158.84)
LEDB: ENC.26 R144.2 | length 364.9
  Top Layer w15: -6432.79,-137.16 -6358.94,-211
  Top Layer w17: ENC.26@-6485.71,-137.16 -6432.79,-137.16
  Top Layer w20: -6358.94,-211 -6358.94,-308 -6335.94,-331 R144.2@-6335.94,-409
MCLR: IC161.1 J3.1 M1.76 | length 6664.6
  Top Layer w20: IC161.1@-2386.16,5611.4 -2384.35,5609.59 -2347.92,5609.59 -2321.92,5583.59 -2219.24,5583.59 -2091.83,5711 -2026.87,5711 -2020.75,5717.11 -1864.28,5717.11 -1765.17,5618 -1391.71,5618 -1379.99,5606.28 -1379.99,5580.99 J3.1@-1358.94,5559.94 ; v1(-1717.94,2009) -1717.94,513 -1681.94,477 -1545.94,477 M1.76@-1497.94,429
  Mid Bottom w20: v1(-1717.94,2009) -1472.94,2254 -1472.94,3439.28 -1410.44,3501.78 -1410.44,3526.22 -1458.94,3574.72 -1458.94,5459.94 J3.1@-1358.94,5559.94
Net32KHz_1: 32KHz.1 C92.1 IC91.2 | length 605.4
  Top Layer w20: C92.1@-4190.94,5201 -4190.94,4945 32KHz.1@-4151.94,4906 -4081.94,4836 IC91.2@-3886.68,4836
Net32KHz_2: 32KHz.2 C91.1 | length 281.2
  Top Layer w20: C91.1@-4190.94,4451 -4190.94,4677 32KHz.2@-4151.94,4716
NetB_2: B.2 Q.3 | length 568
  Top Layer w20: B.2@-4165.94,-422.39 -3648.88,-422.39 -3621.94,-395.46 Q.3@-3621.94,-382.66
NetBT1_1: BT1.1 IC91.3 R91.2 SuperCap.1 | length 2741.8
  Top Layer w20: SuperCap.1@-5622.79,4869 -5622.79,4880.81 -5607.14,4896.46 -5595.33,4896.46 -5079.89,5411.91 BT1.1@-4960.94,5411.91 -4952.62,5403.58 -4913.53,5403.58 -4295.94,4786 IC91.3@-3886.68,4786 -3886.18,4785.5 -3808.44,4785.5 v1(-3807.94,4785) ; v1(-3621.94,4968) -3542.94,5047 R91.2@-3542.94,5109
  Mid Top w20: v1(-3807.94,4785) -3804.94,4785 v1(-3621.94,4968)
NetC44_1: C44.1 IC41.16 R44.1 | length 682.4
  Top Layer w20: IC41.16@-434.97,4301 R44.1@-218.94,4301 ; C44.1@-252.94,4707 -301.94,4658 -301.94,4408 -221.91,4327.97 -221.91,4303.97 R44.1@-218.94,4301 ; R44.1@-214.94,4297 R44.1@-218.94,4301
NetC45_1: C45.1 R42.1 | length 442.6
  Top Layer w20: R42.1@-1655.94,4716 -1655.94,4651 -1612.94,4608 -1612.94,4375 -1585.67,4347.73 -1585.67,4317.73 C45.1@-1574.94,4307
NetC61_1: C61.1 D61.1 IC61.1 | length 379.5
  Top Layer w20: IC61.1@-817.16,-536.6 -813.75,-536.6 -807.94,-530.79 C61.1@-807.94,-385 -807.94,-375 -749.94,-317 D61.1@-619.89,-317
NetC61_2: C61.2 IC61.6 L61.2 Z61.1 | length 1149.4
  Top Layer w17: IC61.6@-718.73,-536.6 -715.42,-539.91 -693.3,-539.91 v1(-611.58,-621.63)
  Top Layer w20: L61.2@-1018.09,-519 -1018.09,-521.95 -990.68,-549.35 -987.73,-549.35 -836.09,-701 -627.72,-701 -611.58,-684.86 v1(-611.58,-621.63) ; C61.2@-727.94,-385 -727.94,-395 -713.94,-409 -703.94,-409 -693.81,-419.13 -673.81,-419.13 v1(-670.94,-422) -668.07,-424.87 -641.57,-424.87 -572.04,-494.4 -565.74,-494.4 -558.94,-501.2 Z61.1@-558.94,-507.5
  Mid Top w20: v1(-670.94,-422) -670.94,-514 -611.58,-573.37 v1(-611.58,-621.63)
NetC66_1: C66.1 D62.1 IC62.1 | length 1349.1
  Top Layer w20: D62.1@-1471.94,-1203.94 -1411.89,-1264 -718.94,-1264 -682.94,-1228 C66.1@-682.94,-1218 -765.94,-1135 -765.94,-798.31 -777.66,-786.6 IC62.1@-817.37,-786.6
NetC66_2: C66.2 IC62.6 L62.2 Z62.1 | length 1145.7
  Top Layer w20: L62.2@-1016.09,-934 -991.92,-958.16 -991.92,-990.02 v1(-956.94,-1025) ; v1(-958.94,-818) -899.73,-758.79 -757.58,-758.79 -729.77,-786.6 IC62.6@-718.94,-786.6 -668.35,-786.6 -557.94,-897 Z62.1@-557.94,-976.5 -557.94,-1173 C66.2@-602.94,-1218
  Mid Top w20: v1(-958.94,-818) -958.94,-1022 -956.94,-1024 v1(-956.94,-1025)
NetC116_1: C116.1 FB111.2 IC110.1 | length 851.5
  Top Layer w17: IC110.1@-19.67,3376.09 -19.31,3376.45 20.1,3376.45 30.06,3386.41 30.06,3428 38.06,3436 38.06,3438
  Top Layer w20: FB111.2@-174.79,3827 34.06,3827 109.06,3752 C116.1@109.06,3742 109.06,3732 144.06,3697 144.06,3449.72 132.34,3438 38.06,3438
NetC133_1: C133.1 J131.1 | length 344.5
  Top Layer w20: C133.1@-5055.94,922 -5045.94,922 -5031.94,936 -5031.94,946 -4894.94,1083 J131.1@-4894.94,1194
NetC133_2: C133.2 IC131.8 | length 238
  Top Layer w20: C133.2@-5055.94,842 -4989.24,842 -4881.33,949.91 IC131.8@-4881.33,968.61
NetC141_2: C141.2 ENC.1 | length 687.2
  Top Layer w15: ENC.1@-6206.18,-188.34 -6111.61,-188.34 -6108.94,-191
  Top Layer w20: C141.2@-6173.94,259 -6161.56,259 v1(-6160.73,258.17) ; -6108.94,-191 -5978.94,-61 v1(-5978.94,56)
  Mid Top w20: v1@-6159.39,256.83 -5980.84,78.28 -5980.84,59.79 -5980.28,59.23 v1@-5980.28,56.55
NetC144_1: C144.1 R145.1 R146.2 RJ45.5 | length 1480
  Top Layer w20: RJ45.5@-6881.03,-123.63 -6872.99,-131.68 -6872.99,-155.96 -6800.94,-228 -6740.94,-228 -6618.94,-350 -6474.94,-350 v1(-6472.94,-348) ; C144.1@-6419.94,-845 -6419.94,-835 -6241.94,-657 R145.1@-6241.94,-600 ; v1(-6303.94,-606) -6247.94,-606 R145.1@-6241.94,-600 ; R146.2@-6235.94,-410 -6235.94,-594 R145.1@-6241.94,-600
  Mid Top w20: v1(-6472.94,-348) -6382.94,-348 -6295.94,-435 -6295.94,-596.11 -6303.94,-604.11 v1(-6303.94,-606)
NetCA2_1: CA2.1 RA1.1 RA.2 Ua.5 | length 850.3
  Top Layer w20: RA1.1@-2362.94,2771 -2348.94,2757 -2329.94,2757 -2293.94,2721 -2293.94,2544.36 -2327.4,2510.91 -2353.04,2510.91 RA.2@-2361.8,2502.14 ; CA2.1@-2271.94,2346 -2271.94,2356 -2365.94,2450 RA.2@-2365.94,2498 RA.2@-2361.8,2502.14 ; Ua.5@-2060.04,2502.14 RA.2@-2361.8,2502.14
NetD1_1: D1.1 Q221.3 | length 769.7
  Top Layer w20: D1.1@-2064.62,3741 -2064.62,3739.03 -2117.94,3685.71 -2117.94,3376.34 -2075.21,3333.61 -2038.34,3333.61 -1860.04,3511.9 -1860.04,3540.19 -1858.23,3542 Q221.3@-1855.61,3542
NetD1_2: D1.2 RD.2 | length 467
  Top Layer w20: D1.2@-1981.94,3741 -1981.94,3673 v1(-1978.94,3670) ; RD.2@-1937.94,3322 -1937.94,3366 v1(-1902.94,3401)
  Mid Top w20: v1(-1978.94,3670) -1901.94,3593 -1901.94,3402 v1(-1902.94,3401)
NetD2_2: D2.2 RB1.1 | length 206.8
  Top Layer w15: RB1.1@-6618.94,1835 -6611.94,1842 -6424.94,1842 D2.2@-6417.94,1849
NetD21_1: D21.1 K22.A2 Q2.3 | length 948.6
  Top Layer w20: K22.A2@-6681.63,4776 -6553.44,4647.81 D21.1@-6339.94,4647.81 -6324.94,4632.81 v1(-6324.94,4565) ; v1(-6094.94,4784) Q2.3@-6094.94,4836.66
  Mid Top w20: v1(-6324.94,4565) -6157.94,4565 -6097.81,4625.13 -6097.81,4781.13 v1(-6094.94,4784)
NetD22_1: D22.1 K21.A2 Q21.3 | length 965.3
  Top Layer w20: K21.A2@-6662.68,5500.22 -6461.07,5500.22 D22.1@-6353.66,5392.81 ; Q21.3@-6345.94,4918.34 -6345.94,4960 -6483.94,5098 -6483.94,5277 -6408.87,5352.08 -6394.4,5352.08 D22.1@-6353.66,5392.81 ; D22.1@-6335.94,5392.81 D22.1@-6353.66,5392.81
NetD71_2: D71.2 R81.1 | length 283.4
  Top Layer w20: D71.2@-4403.94,300.34 -4241.28,300.34 -4162.94,222 R81.1@-4152.94,222
NetD72_2: D72.2 R82.1 | length 639.7
  Top Layer w20: v1(-4047.94,185) -4047.94,265 -4013.94,299 -3910.28,299 D72.2@-3909.94,299.34 ; v1(-4004.94,-88) -3916.94,-88 R82.1@-3909.94,-81
  Mid Bottom w20: v1(-4047.94,185) -4047.94,-77 -4036.94,-88 v1(-4004.94,-88)
NetD91_2: D91.2 R91.1 | length 284.4
  Top Layer w20: D91.2@-3557.94,5354 -3462.94,5259 R91.1@-3462.94,5109
NetD131_2: D131.2 R143.1 RJ45.9 | length 1569
  Top Layer w20: D131.2@-7020.28,-840 -7020.28,-838.03 -7003.63,-821.38 -7001.66,-821.38 -6912.28,-732 v1(-6832.94,-732) ; v1(-6677.94,-415) -6628.94,-415 R143.1@-6623.94,-410
  Mid Top w20: RJ45.9@-7323.94,162 -7314.33,152.39 -7314.33,129.39 -6769.94,-415 v1(-6677.94,-415)
  Mid Bottom w20: v1(-6832.94,-732) -6677.94,-577 v1(-6677.94,-415)
NetD132_2: D132.2 R144.1 RJ45.11 | length 1585.5
  Top Layer w20: D132.2@-6667.61,-839 -6653.64,-825.04 -6634.98,-825.04 -6455.94,-646 -6455.94,-459 -6415.94,-419 R144.1@-6415.94,-409 -6460.34,-409 -6473.34,-422 v1(-6477.94,-422)
  Bottom Layer w20: RJ45.11@-7323.94,-259.65 -7089.6,-494 -6549.94,-494 v1(-6477.94,-422)